# KiCad board bkp_austin.kicad_pcb (continued)
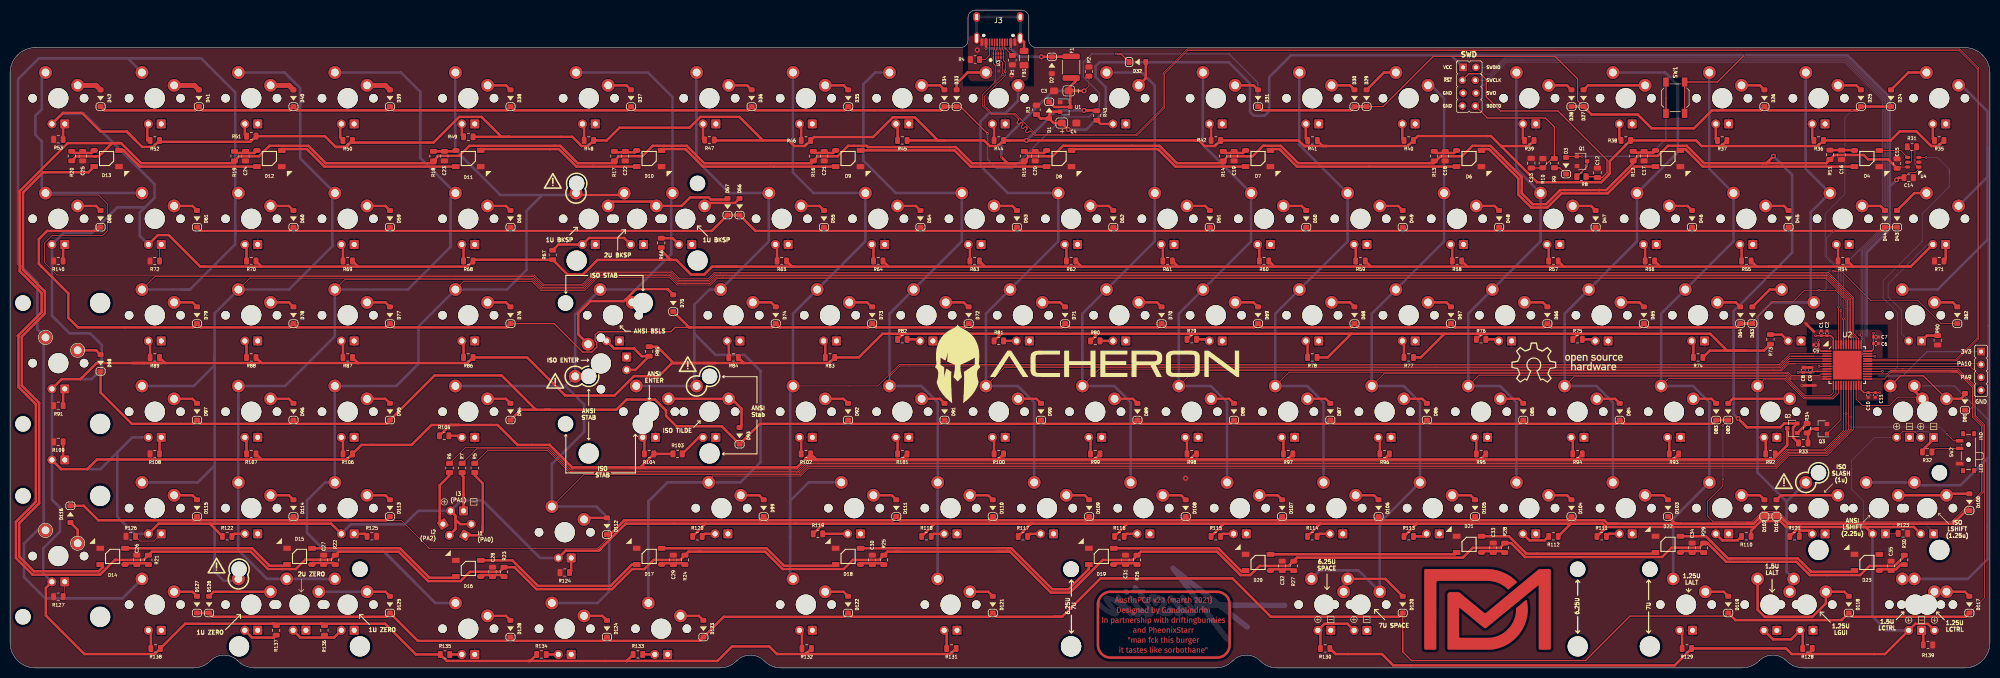
[diagram p0: board, top side]
## Nets (continued)
Net-(LED48-PadA): LED48.A R77.2
Net-(LED49-PadA): LED49.A R78.2
Net-(LED50-PadA): LED50.A R79.2
Net-(LED51-PadA): LED51.A R80.2
Net-(LED52-PadA): LED52.A R81.2
Net-(LED53-PadA): LED53.A R82.2
Net-(LED54-PadA): LED54.A R83.2
Net-(LED55-PadA): LED55.A R84.2
Net-(LED56-PadA): LED56.A LED57.A R85.2
Net-(LED58-PadA): LED58.A R86.2
Net-(LED59-PadA): LED59.A R87.2
Net-(LED60-PadA): LED60.A R88.2
Net-(LED61-PadA): LED61.A R89.2
Net-(LED62-PadK): LED62.K R108.1
Net-(LED63-PadK): LED63.K R109.1
Net-(LED64-PadA): LED64.A R92.2
Net-(LED65-PadA): LED65.A R93.2
Net-(LED66-PadA): LED66.A R94.2
Net-(LED67-PadA): LED67.A R95.2
Net-(LED68-PadA): LED68.A R96.2
Net-(LED69-PadA): LED69.A R97.2
Net-(LED70-PadA): LED70.A R98.2
Net-(LED71-PadA): LED71.A R99.2
Net-(LED72-PadA): LED72.A R100.2
Net-(LED73-PadA): LED73.A R101.2
Net-(LED74-PadA): LED74.A R102.2
Net-(LED75-PadA): LED75.A R103.2
Net-(LED76-PadA): LED76.A R104.2
Net-(LED77-PadA): LED77.A R105.2
Net-(LED78-PadA): LED78.A R106.2
Net-(LED79-PadA): LED79.A R107.2
Net-(LED80-PadK): LED80.K LED81.K R123.1
Net-(LED82-PadK): LED82.K R124.1
Net-(LED83-PadK): LED83.K R125.1
Net-(LED84-PadK): LED84.K R126.2
Net-(LED85-PadK): LED85.K R127.1
Net-(LED86-PadA): LED86.A R110.2
Net-(LED87-PadA): LED87.A R111.2
Net-(LED88-PadA): LED88.A R112.2
Net-(LED89-PadA): LED89.A R113.2
Net-(LED90-PadA): LED90.A R114.2
Net-(LED91-PadA): LED91.A R115.2
Net-(LED92-PadA): LED92.A R116.2
Net-(LED93-PadA): LED93.A R117.2
Net-(LED94-PadA): LED94.A R118.2
Net-(LED95-PadA): LED95.A R119.2
Net-(LED96-PadA): LED96.A R120.2
Net-(LED97-PadA): LED97.A R121.2
Net-(LED98-PadA): LED98.A R122.2
Net-(LED100-PadK): LED99.K LED100.K R139.1
Net-(LED101-PadK): LED101.K R140.1
Net-(LED102-PadA): LED102.A LED103.A R128.2
Net-(LED104-PadA): LED104.A R129.2
Net-(LED105-PadA): LED105.A LED106.A R130.2
Net-(LED107-PadA): LED107.A R131.2
Net-(LED108-PadA): LED108.A R132.2
Net-(LED109-PadA): LED109.A R133.2
Net-(LED110-PadA): LED110.A R134.2
Net-(LED111-PadA): LED111.A R135.2
Net-(LED112-PadA): LED112.A LED113.A R136.2
Net-(LED114-PadA): LED114.A R137.2
Net-(LED115-PadA): LED115.A R138.2
Net-(LEDCAPS1-PadK): LEDCAPS1.K R7.2
Net-(LEDNUM1-PadK): LEDNUM1.K R6.2
Net-(LEDSCR1-PadK): LEDSCR1.K R5.1
Net-(Q1-Pad3): Q1.3 R8.1
Net-(Q2-Pad1): Q2.1 R34.1
Net-(Q3-Pad3): Q3.3 R33.2 R34.2
Net-(R31-Pad1): R31.1 U4.5
Net-(R32-Pad1): R32.1 SW2.2

Pads without a net: D23 2; J3 A8 B8; L1 1 2; L4 1; L5 1; U2 26

## Via types
v1: diameter 1.016, hole 0.508, Top to Bottom, 11 vias
v2: diameter 0.508, hole 0.305, Top to Bottom, 36 vias

## Routing (per net, layer and track width the routed paths; a pad name or vN(x,y) marks a point on that pad's centre or on a via; arc(x,y) is an arc through that point)
3V3: length 342.5
  Top w0.152: 376.32,97.84 375.06,97.84 C14.1 ; 376.32,97.84 376.53,98.06 ; 376.32,97.84 376.96,98.49 U4.1 376.75,98.92 376.2,99.47 376.2,100.31 376.2,100.31 376.2,100.31 376.2,102.57 R31.2
  Top w0.254: 330.72,109.51 330.72,115.71 337.2,115.71 v2(342.49,121) ; v2(357.16,64.69) C5.1 357.16,63.06 357.67,62.55 U2.1 ; U2.24 365.59,54.89 366.11,54.37 C11.2 v2(369.25,54.37) ; v2(353.13,58.36) C8.2 C9.2 355.73,58.55 357.03,58.55 ; U2.9 357.03,58.55 ; 357.03,58.55 356.9,58.55 ; U2.48 360.09,65.09 359.57,65.6 C2.2 C1.2 v2(356.56,65.6) ; 368.01,65.7 368.01,62.94 367.63,62.55 U2.36 ; C7.2 v2(368.01,66.11)
  Top w0.508: U1.2 205.78,109.83 205.2,109.26 D1.2 ; R3.1 203.5,108.5 D1.2 ; D1.2 206.09,107.61 C4.1 207.71,107.61 v1(209,106.32) ; C14.1 373,96.82 v1(372.57,96.39)
  Bottom w0.254: J1.1 378.59,62.47 373.76,57.65 369.06,57.65
  Bottom w0.508: v1(209,106.32) 212.52,106.32 216.41,110.21 216.41,114.67 214.38,116.7 214.38,118.84 215.14,119.61 240.67,119.61 244.86,115.41 244.86,109.83 245.62,109.06 247.78,109.06 248.67,109.95 248.67,116.68 252.98,121 283.46,121 ; J2.1 284.56,121 283.46,121 ; 371.22,94.28 371.22,112.62 362.84,121 v2(342.49,121) 283.46,121 ; 371.22,94.28 371.22,86.59 366.65,82.01 366.65,65.63 ; 371.22,94.28 371.22,95.04 v1(372.57,96.39) ; v2(353.13,58.36) 356.17,58.36
5V: length 1041.5
  Top w0.152: C15.1 372.93,98.92 U4.6 ; v1(212.12,113.96) 213.07,114.91 R2.1
  Top w0.508: 1.9,93.21 1.9,92.29 ; 1.9,92.29 1.9,94.17 ; 1.9,92.29 1.9,78.36 6.21,74.04 6.21,70.27 1.52,65.58 1.64,65.46 1.64,55.5 5.07,52.07 5.07,32.78 1.14,28.85 1.14,21.7 4.44,18.41 17.76,18.41 20.68,21.33 ; 21.53,103.64 20.14,103.64 17.53,101.04 16.65,101.04 ; 21.53,103.64 11.37,103.64 1.9,94.17 ; 21.53,103.64 21.92,103.64 25.88,99.68 44.32,99.68 ; 200.53,99.68 200.51,99.66 198.49,99.66 ; 209.85,113.96 209.06,113.96 C3.1 ; 209.85,113.96 v1(212.12,113.96) ; 209.85,113.96 210.99,113.96 ; 198.49,99.66 189.99,99.66 186.79,102.86 169.42,102.86 169.17,103.11 165.5,103.11 163.42,101.04 159.52,101.04 R16.2 ; 198.49,99.66 196.99,99.66 v2(195.77,100.88) ; v1(348.26,101.08) 346.87,99.68 346.09,99.68 ; 20.68,21.33 26.37,21.33 R21.2 28,22.96 47.5,22.96 50.94,19.52 56.43,19.52 58.29,21.37 63.32,21.37 R22.2 64.91,22.96 76.72,22.96 82.55,17.13 88.96,17.13 90.81,18.99 96.66,18.99 R23.2 99.6,19.88 103.95,15.54 118.86,15.54 122.84,19.52 125.27,19.52 127.08,21.33 132.33,21.33 R24.2 133.97,22.96 136.33,22.96 ; 20.68,21.33 20.98,21.33 ; 119.69,99.68 112.08,99.68 108.65,103.11 90.7,103.11 88.71,101.12 84.59,101.12 R18.2 ; 197.47,22.96 175.45,22.96 ; 197.47,22.96 194.93,22.96 ; 197.47,22.96 205.56,14.87 209.33,14.87 215.78,21.33 221.71,21.33 223.35,22.96 238.35,22.96 242.99,18.32 244.93,18.32 246.74,20.14 252.51,20.14 254.14,21.77 286.91,21.77 288.85,23.71 293.04,23.71 ; 175.45,22.96 174.83,22.96 ; 175.45,22.96 173.26,22.96 R25.2 171.62,21.33 166.45,21.33 164.64,19.52 152.56,19.52 149.11,22.96 136.33,22.96 ; D1.1 206.22,110.78 U1.3 209.38,113.64 C3.1 ; 293.04,23.71 294.26,23.71 R28.2 296.44,24.65 299.19,21.9 326.28,21.9 328.12,23.74 333.58,23.74 R29.2 335.22,24.65 338.91,20.95 352.8,20.95 355.43,18.32 365.38,18.32 367.19,20.14 372.17,20.14 374.09,22.06 R30.2 ; 293.04,23.71 293.29,23.71 ; 343.02,47.52 342.25,48.29 ; 343.02,47.52 349.64,47.52 350.4,48.29 Q2.2 352.13,47.43 352.13,45.49 R33.1 ; 343.02,47.52 341.28,49.26 ; 158.35,99.66 137.1,99.66 133.65,103.11 126.92,103.11 124.87,101.06 120.25,101.06 R17.2 ; R19.2 45.22,101.04 49.12,101.04 51.2,103.11 58.89,103.11 62.32,99.68 83.97,99.68 ; 16.65,101.04 16.96,101.04 ; 16.65,101.04 13.07,101.04 R20.2 ; R14.2 240.48,101.04 245.37,101.04 247.45,103.11 250.96,103.11 254.39,99.68 281.18,99.68 282.53,101.04 286.72,101.04 288.8,103.11 292.36,103.11 298.54,96.93 298.54,93.73 300.69,91.58 303.32,91.58 306.11,94.37 315.24,94.37 320.55,99.68 R12.2 ; 1.9,94.17 1.9,93.69 ; 320.55,100.38 R12.2 ; R12.2 321.52,101.12 325.43,101.12 327.43,103.11 331.13,103.11 334.56,99.68 346.09,99.68 ; C3.1 209.05,114.51 210.54,115.99 210.54,116.73 ; 136.33,22.96 135.82,22.96 ; 346.09,99.68 358.7,99.68 R11.2 360.3,101.29 366.08,101.29 366.94,100.43 370.93,100.43 C15.1 ; 239.9,99.68 230.42,99.68 226.99,103.11 207.95,103.11 205.87,101.04 201.19,101.04 R15.2
  Bottom w0.508: v1(212.12,113.96) 205.93,113.96 195.77,103.8 v2(195.77,100.88) ; 341.28,49.26 340.39,50.15 340.39,70.47 351.94,82.03 351.94,97.39 v1(348.26,101.08)
  vias: v1(341.28,49.26)
GND: length 6.9
  Top w0.508: C8.1 355.92,59.32 ; v2(353.87,55.78) 356.57,55.78 ; 354.57,68.08 356.27,66.38
  vias: v1(191.01,122.03) v1(197.81,117.11) v1(232.16,37.45) v2(195.27,117.87)
GNDPWR: length 19.8
  Top w0.508: 199.48,124.35 200.25,123.59 FB1.2
  Bottom w0.508: 190.88,124.35 190.88,128.55 199.48,128.55 199.48,124.35
VBUS: length 23.5
  Top w0.508: 207.11,120.69 209.56,120.69 v1(203.68,120.69) ; 197.63,124.13 v2(197.63,122.34) ; 192.73,124.13 v2(192.73,122.34)
  Bottom w0.508: v2(192.73,122.34) v2(197.63,122.34) 199.28,120.69 v1(203.68,120.69)
BOOT0: length 173.4
  Top w0.254: U2.44 v2(362.09,68.98) ; J2.8 291.75,108.6 303.21,108.6 304.99,106.82 R9.2 304.53,100.59 R10.1 302.67,98.73 C13.2
  Bottom w0.152: 362.09,79.43 365.25,82.59 ; 362.09,79.43 v2(362.09,68.98) ; 362.09,79.43 369.82,87.16 369.82,112.03 369.51,112.34 369.51,112.34 362.24,119.61 295.58,119.61 290.68,114.7 290.68,112.29 J2.8
Col1: length 215.5
  Top w0.152: 377.67,53.48 372.82,53.48 371.17,51.83 365.83,51.83 364.59,53.07 U2.22
  Top w0.508: SW63.2 376.08,54.72 SW81.1
  Bottom w0.254: 390.65,67.42 390.65,47.74 ; 390.65,67.42 390.65,67.55 ; 390.65,67.42 390.65,84.55 ; 390.65,47.74 390.65,41.52 390.53,41.39 ; 390.65,47.74 390.65,49.01 383.98,55.68 SW81.1
  Bottom w0.508: 390.53,102.73 390.53,109.93 385.4,115.05 SW3.2 ; 390.53,102.73 390.53,96.95 SW22.2 385.4,91.24 ; 390.53,102.73 390.53,84.55 380.7,74.73 SW43.1 ; SW111.1 386.65,17.58 390.53,21.45 390.53,41.39 385.19,36.06 376.65,36.06 SW84.1 SW82.1
Col2: length 144.6
  Top w0.152: SW64.1 346.32,56.88 350.52,56.88 354.27,53.13 359.98,53.13 361.09,54.23 U2.15
  Bottom w0.508: 350.85,32.83 SW85.1 ; 350.85,32.83 350.85,18.99 SW102.1 351.47,16.78 SW112.2 ; 350.85,32.83 345.1,38.58 345.1,55.65 SW64.1 345.12,69.38 347.93,72.19 SW44.2 355.61,72.81 355.61,89.98 SW23.1 354.62,98.56 354.62,117.56 SW4.1
Col3: length 157.1
  Top w0.152: SW65.1 326.07,55.68 327.57,57.18 350.65,57.18 354.4,53.43 359.78,53.43 360.59,54.24 U2.14
  Bottom w0.508: SW5.1 335.57,117.56 335.57,98.56 SW24.1 340.36,84.25 326.07,69.96 SW65.1 332.36,55.68 335.6,52.44 SW86.1 328.45,29.48 SW113.1
Col4: length 166.3
  Top w0.152: SW66.1 308.83,57.49 350.78,57.49 354.52,53.74 359.45,53.74 360.09,54.38 U2.13
  Bottom w0.508: SW87.1 316.55,52.44 313.31,55.68 SW66.1 307.02,69.96 SW46.1 321.31,84.25 SW25.1 329.38,101.85 329.38,115.07 326.87,117.59 SW6.1
Col5: length 169.1
  Top w0.152: 289.67,57.38 SW67.1 ; 289.67,57.38 290.09,57.79 350.9,57.79 351.64,57.05 ; 289.67,57.38 289.78,57.49 ; 351.64,57.05 351.39,57.3 ; 351.64,57.05 U2.12
  Bottom w0.508: SW7.1 297.47,117.56 297.47,98.56 SW26.1 302.26,84.25 SW47.1 287.97,69.96 SW67.1 294.26,55.68 297.5,52.44 SW88.1
Col6: length 225.7
  Top w0.152: SW68.1 271.34,58.09 351.03,58.09 351.68,57.45 358.73,57.45 U2.11
  Bottom w0.508: SW8.2 280.63,115.05 283.21,112.47 SW27.1 283.21,84.25 SW48.1 268.92,69.96 SW68.1 275.21,55.68 278.45,52.44 SW89.1 270.51,28.69 SW114.2 266.29,19.25 258.69,19.25 SW103.1
Col7: length 209
  Top w0.152: U2.10 357.67,58.05 357.37,57.75 351.8,57.75 351.15,58.4 252.6,58.4 SW69.1
  Bottom w0.508: SW9.1 254.6,117.56 254.6,103.33 SW28.1 264.16,84.25 SW49.1 249.87,69.96 SW69.1 256.16,55.68 259.4,52.44 SW90.1
Col8: length 229.4
  Top w0.152: 352.49,60.05 351.24,60.05 349.89,58.7 233.85,58.7 SW70.1 ; 352.49,60.05 351.39,60.05 ; 352.49,60.05 U2.6
  Bottom w0.508: SW91.1 240.35,52.44 237.11,55.68 SW70.1 230.82,69.96 SW50.1 245.08,84.23 245.08,93.75 SW29.1 235.56,103.33 235.56,113.16 235.59,113.19 SW10.1
Col9: length 251.6
  Top w0.152: SW71.1 215.1,59.01 349.77,59.01 351.31,60.55 U2.5
  Bottom w0.508: SW92.1 221.3,52.44 218.06,55.68 SW71.1 211.77,69.96 216.54,74.73 216.54,74.74 226.06,84.27 SW30.1 226.06,115.03 223.5,117.59 216.54,117.59
Col10: length 277.6
  Top w0.152: 233.7,59.31 196.36,59.31 SW72.1 ; 233.7,59.31 349.64,59.31 351.38,61.05 U2.4 ; 233.7,59.31 233.6,59.31
  Bottom w0.508: SW93.1 202.25,52.44 199.01,55.68 SW72.1 192.72,69.96 SW52.1 197.49,74.74 207.01,84.27 SW31.1 197.02,93.78 191.64,99.16 191.64,107.92 193.29,109.57 196.6,109.57 199.07,112.05 SW12.2
Col11: length 326.2
  Top w0.152: 356.24,61.55 351.79,61.55 ; 356.24,61.55 U2.3 ; 356.24,61.55 351.44,61.55 349.51,59.62 175.74,59.62 173.67,57.55 SW73.1
  Bottom w0.508: SW13.1 170.83,117.59 168.53,115.29 168.53,100.17 174.93,93.78 SW32.1 187.96,84.25 SW53.1 173.67,69.96 SW73.1 179.96,55.68 183.2,52.44 SW94.1 183.17,36.6 183.17,17.6 SW104.1
Col12: length 344.1
  Top w0.152: 350.05,60.6 351.51,62.05 U2.2 ; 350.05,60.6 349.99,60.53 ; 350.05,60.6 349.38,59.92 175.61,59.92 171.37,55.68 SW74.1
  Bottom w0.508: SW14.1 154.62,113.19 154.6,113.16 154.6,97.85 158.67,93.78 SW33.1 168.91,84.25 SW54.1 154.62,69.96 SW74.1 154.05,55.11 154.05,25.75 ; SW95.1 157.69,36.63 154.05,32.99 154.05,25.75 ; 154.05,25.75 154.05,18.15 SW105.1
Col13: length 414.4
  Top w0.152: U2.21 364.09,47.18 358.87,41.96 351.39,41.96 348.88,39.45 157.7,39.45 156.13,37.88 138.77,37.88 137.95,37.06 SW83.1
  Bottom w0.508: 126.05,32.85 126.05,29.54 ; 126.05,32.85 SW106.1 ; 126.05,32.85 129.83,36.63 SW83.1 144.22,36.63 148.21,40.61 148.21,58.65 145.03,61.82 139.32,61.82 135.13,66.01 135.13,66.27 ; 135.13,66.27 135.13,71.73 138.13,74.73 SW55.1 149.83,84.23 149.83,93.75 SW34.1 142.03,93.78 135.55,100.26 135.55,117.56 SW15.1 ; 135.13,66.27 135.13,56.12 SW62.1 SW75.1
Col14: length 452.4
  Top w0.152: 107,31.86 113.32,38.19 156,38.19 157.57,39.76 348.76,39.76 351.26,42.27 358.75,42.27 363.59,47.11 363.59,49.6 ; U2.20 363.59,49.6 ; 363.59,49.6 363.59,49.45 ; SW56.1 116.52,74.83
  Bottom w0.508: SW107.1 116,12.81 118.31,15.13 118.31,29.35 115.79,31.86 107,31.86 107,40.25 113.37,46.62 113.37,52 109.7,55.68 ; SW16.1 125.97,117.59 130.81,112.75 SW35.1 130.43,93.4 130.56,93.27 130.56,81.76 123.52,74.73 SW56.1 111.6,69.81 SW42.1 ; 109.7,55.68 SW42.1 ; 109.7,55.68 SW76.1 ; SW42.1 111.6,56.65
Col15: length 486.1
  Top w0.152: SW57.1 89.58,76.36 103.03,76.36 104.85,74.54 113.49,74.54 116.11,77.16 130.17,77.16 131.72,75.62 138.33,75.62 139.59,76.88 358.64,76.88 362.89,72.63 362.89,65.48 363.09,65.29 U2.42
  Top w0.508: 111.76,93.4 120.9,93.4 SW41.1
  Bottom w0.508: 73.66,23.13 62.17,23.13 58.62,26.68 58.62,33.03 62.21,36.63 SW97.1 64.11,36.65 64.11,55.65 SW77.1 76.28,55.68 80.64,60.04 80.64,67.42 SW57.1 98.12,74.73 101.98,78.58 101.98,90.27 105.11,93.4 ; 73.66,23.13 83.97,12.81 SW115.1 ; 73.66,23.13 80.08,16.71 ; 105.11,93.4 96.82,93.4 87.92,102.3 87.92,117.56 SW17.1 ; 105.11,93.4 111.76,93.4
Col16: length 481.7
  Top w0.152: U2.41 363.59,65.22 363.2,65.61 363.2,72.75 358.77,77.19 139.47,77.19 138.2,75.92 131.84,75.92 130.3,77.47 115.99,77.47 113.37,74.85 104.97,74.85 103.15,76.67 66.07,76.67 SW58.1
  Bottom w0.508: SW108.1 SW116.1 50.72,17.58 45.06,23.24 45.06,36.6 SW98.1 45.06,36.65 45.06,51.25 45.09,51.28 SW78.1 54.31,55.68 64.14,65.5 SW58.1 78.58,74.73 86.99,83.14 ; 86.99,83.14 86.99,92.82 SW37.1 81.03,100.7 81.03,113.76 77.2,117.59 SW18.1 ; 86.99,83.14 86.99,86.12
Col17: length 503.1
  Top w0.152: U2.40 364.09,65.15 363.5,65.73 363.5,71.14 363.5,72.88 358.89,77.49 139.34,77.49 138.08,76.23 131.97,76.23 130.43,77.77 115.86,77.77 113.24,75.15 105.1,75.15 103.28,76.97 47.33,76.97 SW59.1
  Bottom w0.508: 40.39,39.96 37.05,36.63 SW99.1 ; 40.39,39.96 40.39,61.81 ; 40.39,39.96 40.39,19.01 ; 40.39,61.81 40.39,59.79 36.27,55.68 SW79.1 26.01,55.65 ; 40.39,61.81 40.39,70.03 SW59.1 55.09,74.73 63.63,83.27 ; 40.39,19.01 42.2,17.2 45.09,17.2 ; 40.39,19.01 40.39,20.26 ; 63.63,83.27 63.63,84.85 ; 63.63,83.27 63.63,93.78 ; SW38.1 57.28,100.63 57.28,114.53 54.21,117.59 SW19.1 ; SW99.1 26.01,36.65 ; SW99.1 26.01,36.6
Col18: length 592.8
  Top w0.152: U2.39 364.59,65.08 363.81,65.86 363.81,73.01 359.02,77.79 139.21,77.79 137.95,76.53 132.1,76.53 130.55,78.08 115.73,78.08 113.11,75.46 105.22,75.46 103.4,77.28 28.58,77.28 SW60.1
  Bottom w0.508: 35.53,74.73 SW60.1 ; 35.53,74.73 33.75,74.73 ; 35.53,74.73 44.45,83.65 44.45,85.43 ; SW110.1 22.19,13.73 6.93,13.73 2.74,17.92 2.74,24.52 5.38,27.17 SW100.1 6.6,27.55 6.6,64.88 SW80.1 5.38,66.87 5.38,76.06 1.57,79.88 1.57,116.28 5.67,120.38 23.24,120.38 ; 23.24,120.38 37.75,120.38 44.45,113.68 44.45,91.65 ; 23.24,120.38 SW20.1 ; 44.45,91.65 44.45,93.78 ; 44.45,91.65 44.45,85.43 ; 44.45,85.43 44.45,87.26
Col19: length 454.1
  Top w0.152: 6.98,93.38 17.47,93.38 19.27,91.58 19.27,86.38 18.27,85.38 8.27,85.38 6.77,83.88 6.77,80.08 9.27,77.58 103.53,77.58 105.35,75.76 112.99,75.76 115.61,78.38 130.68,78.38 132.22,76.83 137.82,76.83 139.09,78.1 359.15,78.1 364.11,73.13 364.11,65.99 365.09,65.01 U2.38
  Bottom w0.152: 6.37,93.16 SW61.1
  Bottom w0.508: SW21.1 6.27,116.87 6.27,110.33 4.98,109.04 4.98,105.27 6.27,103.98 6.27,94.49 SW61.1 SW40.1
D+: length 315.6
  Top w0.152: v2(196.04,117.21) 196.03,117.22 196.03,119.27 ; 196.03,119.27 196.03,119.52 195.68,119.87 U3.4 195.68,121.97 195.44,122.22 195.44,124.13 ; 196.03,119.27 196.03,119.14 ; 194.43,124.13 194.43,122.23 194.18,121.98 U3.1 194.18,119.34 194.54,118.98 v2(194.54,115.71) 192.1,113.26 192.1,110.96 193.82,109.23 198.32,109.23 199.08,108.47 199.12,108.42 199.15,108.36 199.17,108.29 199.17,108.22 199.15,108.16 199.12,108.1 199.08,108.05 198.94,107.91 198.9,107.85 198.87,107.79 198.85,107.73 198.85,107.66 198.87,107.59 198.9,107.53 198.94,107.48 198.99,107.44 199.05,107.41 199.12,107.39 199.18,107.39 199.25,107.41 199.31,107.44 199.36,107.48 199.5,107.62 199.56,107.66 199.62,107.69 199.68,107.71 199.75,107.71 199.82,107.69 199.88,107.66 199.93,107.62 199.97,107.57 200,107.51 200.01,107.44 200.01,107.38 200,107.31 199.97,107.25 199.93,107.2 199.79,107.06 199.75,107 199.72,106.94 199.7,106.88 199.7,106.81 199.72,106.75 199.75,106.68 199.79,106.63 199.84,106.59 199.9,106.56 199.97,106.55 200.03,106.55 200.1,106.56 200.16,106.59 200.21,106.63 200.35,106.77 200.41,106.82 200.47,106.84 200.53,106.86 200.6,106.86 200.66,106.84 200.72,106.82 200.78,106.77 200.82,106.72 200.85,106.66 200.86,106.59 200.86,106.53 200.85,106.46 200.82,106.4 200.78,106.35 200.64,106.21 200.59,106.16 200.57,106.09 200.55,106.03 200.55,105.96 200.57,105.9 200.59,105.84 200.64,105.78 200.69,105.74 200.75,105.71 200.81,105.7 200.88,105.7 200.95,105.71 201.01,105.74 201.06,105.78 201.2,105.92 201.25,105.97 201.31,106 201.38,106.01 201.45,106.01 201.51,106 201.57,105.97 201.63,105.92 202.46,105.09 222.5,105.09 228.02,110.61 228.02,117.34 232.61,121.93 384.92,121.93 388.49,118.35 388.49,65.12 384.33,60.96 366.31,60.96 366.21,61.05
  Bottom w0.152: v2(194.54,115.71) v2(196.04,117.21)
D-: length 312.5
  Top w0.152: 366.21,60.55 366.31,60.65 384.46,60.65 388.8,64.99 388.8,118.48 385.04,122.23 232.48,122.23 227.71,117.46 227.71,110.73 222.38,105.4 202.58,105.4 198.44,109.54 193.95,109.54 192.4,111.09 192.4,112.85 196.54,117 v2(196.54,117.74) ; 194.68,120.03 U3.2 ; U3.2 194.68,119.6 v2(195.04,119.24) ; U3.2 194.68,121.97 194.93,122.22 194.93,124.13 ; 196.54,118.27 v2(196.54,117.74) ; v2(196.54,117.74) 196.54,119.65 196.18,120 U3.5 196.18,121.98 195.93,122.23 195.93,124.13
  Bottom w0.152: v2(195.04,119.24) v2(196.54,117.74)
EXTRA1: length 23.5
  Top w0.152: 367.83,60.05 U2.31 389.13,60.05 J1.2
EXTRA2: length 23.3
  Top w0.152: U2.30 387.09,59.55 J1.3
INDICATOR1: length 286.7
  Top w0.152: 363.09,49.66 363.09,49.52 ; 363.09,49.66 U2.19 ; 363.09,49.66 363.09,47.04 358.62,42.57 351.14,42.57 348.63,40.06 157.45,40.06 155.88,38.49 155.28,38.49 155.28,38.49 110.56,38.49 106.1,42.95 94.32,42.95 R5.2
INDICATOR2: length 290.7
  Top w0.152: 362.09,49.8 362.09,49.66 ; 362.09,49.8 362.09,46.9 358.37,43.18 350.89,43.18 348.38,40.67 157.19,40.67 155.62,39.1 110.81,39.1 106.35,43.56 89.93,43.56 R6.1 ; 362.09,49.8 U2.17
INDICATOR3: length 314.2
  Top w0.152: U2.18 362.59,46.97 358.5,42.88 351.01,42.88 348.51,40.37 157.32,40.37 155.75,38.8 110.69,38.8 110.68,38.8 106.23,43.25 92.13,43.25 R7.1 ; SW2.3 383.83,44.85 v2(382.52,46.15)
  Bottom w0.152: v2(382.52,46.15) 381.13,47.55 363.6,47.55 362.59,48.56 v2(362.59,50.22)
LED_PWM: length 10.7
  Top w0.152: Q3.1 361.59,49.02 U2.16
LED_SIGNAL: length 2707.7
  Top w0.152: LED2.A 373.7,46.64 376.23,46.64 LED1.A
  Top w0.508: 365.96,27.83 376,27.83 LED80.A ; 365.96,27.83 366.47,27.83 LED81.A ; 365.96,27.83 353.64,27.83 ; 51.79,8.72 34.55,8.72 R138.1 28.57,2.73 14.65,2.73 7.06,10.33 7.06,15.81 LED85.A 8.59,16.66 ; 51.79,8.72 52.18,8.72 R137.1 ; 51.79,8.72 61.32,8.72 ; 325.89,79.26 R56.1 ; 325.89,79.26 306.84,79.26 ; 325.89,79.26 344.94,79.26 ; 8.59,41.4 LED63.A 10.07,39.26 15.24,39.26 17.14,41.16 49.67,41.16 ; 29.91,60.21 24.09,60.21 ; 29.91,60.21 17.08,60.21 13.91,57.04 ; 29.91,60.21 30.62,60.21 ; 315.24,27.83 R111.1 315.24,27.83 ; 315.24,27.83 343.99,27.83 344.59,27.83 ; 315.24,27.83 314.58,28.49 308.25,28.49 ; 355.14,2.73 351.84,2.73 350.73,3.84 R129.1 328.74,0.49 273.18,0.49 270.94,2.73 261.76,2.73 R130.1 ; 355.14,2.73 370.29,2.73 LED99.A 376.27,8.7 378.75,8.7 LED100.A 379.72,7.08 ; 355.14,2.73 355.91,3.5 R128.1 ; R132.1 157.15,2.73 156.26,2.73 ; 125.47,39.59 155.42,39.59 R102.1 159.21,41.16 ; 125.47,39.59 124.47,39.59 ; 125.47,39.59 122.57,39.59 ; 154.79,79.26 154.44,79.26 R65.1 ; 154.79,79.26 143.54,79.26 ; 154.79,79.26 173.49,79.26 ; LED3.A 10.43,109.61 14.17,109.61 17.85,105.93 23.02,105.93 ; 353.64,27.83 350.75,27.83 349.59,28.99 345.75,28.99 344.59,27.83 ; 353.64,27.83 353.34,27.83 R121.1 ; 239.7,28.49 220.65,28.49 ; 239.7,28.49 258.75,28.49 ; 239.7,28.49 R115.1 ; 260.02,103.06 259.27,103.06 R41.1 ; 260.02,103.06 255.57,103.06 ; 260.02,103.06 276.05,103.06 R40.1 278.03,105.04 292.46,105.04 294.56,102.94 ; 182.36,28.29 182.19,28.13 ; 182.19,28.13 182.55,28.49 ; 182.19,28.13 R118.1 ; R117.1 201.6,28.49 201.9,28.49 ; R78.1 260.2,61.31 264.88,65.99 ; 88.55,47.98 86.93,47.98 R105.1 ; 88.55,47.98 83.22,47.98 79.28,44.04 69.39,44.04 R106.1 66.51,41.16 49.67,41.16 ; 88.55,47.98 96.27,47.98 100.21,44.04 106.55,44.04 111.01,39.59 122.57,39.59 ; 195.25,41.32 R100.1 ; 195.25,41.32 195.09,41.16 176.04,41.16 ; 195.25,41.32 195.42,41.16 214.14,41.16 ; 37.54,79.26 38.43,79.26 ; 37.54,79.26 49.67,79.26 ; 37.54,79.26 31.31,85.48 29.17,85.48 LED23.A ; 249.69,79.26 R60.1 ; 249.69,79.26 230.64,79.26 ; 249.69,79.26 268.74,79.26 ; 342.76,62.67 346.38,62.67 R73.1 ; 342.76,62.67 339.08,62.67 335.76,65.99 309.73,65.99 ; 342.76,62.67 335.67,62.67 R74.1 ; 309.73,65.99 R75.1 ; 309.73,65.99 290.68,65.99 ; 377.35,45.5 LED1.A ; 102.35,1.36 102.72,1.36 R134.1 ; 102.35,1.36 121.75,1.36 ; 102.35,1.36 86.23,1.36 R135.1 80.14,2.65 74.07,8.72 61.32,8.72 ; 294.56,102.94 294.56,103.06 299.86,103.06 R39.1 ; 294.56,102.94 301.59,95.91 314.24,95.91 315.92,97.59 315.92,100.07 R38.1 332.95,104.17 334.06,103.06 337.96,103.06 ; 290.68,65.99 R76.1 ; 290.68,65.99 283.28,65.99 ; 255.57,103.06 254.46,104.17 R42.1 237.95,103.06 235.89,103.06 234.78,104.17 R44.1 ; 255.57,103.06 257.05,103.06 ; 264.88,65.99 283.28,65.99 ; 264.88,65.99 233.53,65.99 ; 160.62,28.49 182.55,28.49 ; 160.62,28.49 155.1,28.49 137.3,28.49 ; 160.62,28.49 R119.1 ; 49.67,41.16 R107.1 ; 124.47,39.59 122.57,39.59 ; 124.47,39.59 R104.1 R103.1 ; 143.54,79.26 139.55,79.26 ; 143.54,79.26 138.66,79.26 137.09,77.69 134.46,77.69 131.57,80.58 130.47,80.58 ; 306.84,79.26 R57.1 ; 306.84,79.26 287.79,79.26 ; 68.72,79.26 90.32,79.26 R68.1 91.68,80.62 R67.1 110.09,77.69 113.12,77.69 116.02,80.58 130.47,80.58 ; 68.72,79.26 49.67,79.26 ; 68.72,79.26 R69.1 ; 182.55,28.49 201.9,28.49 ; 283.28,65.99 278.6,61.31 R77.1 ; LED43.A 10.19,57.04 13.91,57.04 ; 201.9,28.49 220.65,28.49 ; 220.65,28.49 R116.1 ; 139.28,60.21 130.72,60.21 128.14,57.63 123.2,57.63 119.36,53.78 109.64,53.78 102.11,61.31 R86.1 90.32,60.21 68.72,60.21 ; 139.28,60.21 131.03,60.21 127.79,63.44 R85.1 ; 139.28,60.21 144.92,60.21 ; 116.68,23.61 116.23,23.15 109.71,23.15 LED82.A 108.6,21.38 ; 116.68,23.61 121.56,28.49 137.3,28.49 ; 116.68,23.61 116.36,23.28 ; 214.14,41.16 R99.1 ; 214.14,41.16 232.83,41.16 ; 27.13,27.11 27.31,26.93 LED84.A 29.32,28.49 57.63,28.49 ; 232.83,41.16 232.94,41.16 234.04,42.26 R98.1 ; 232.83,41.16 252.24,41.16 ; 64.29,102.89 66.33,102.89 ; 64.29,102.89 66.33,102.89 ; 64.29,102.89 62.17,105.02 R51.1 47.45,103.9 29.78,103.9 R52.1 28.23,102.89 26.07,102.89 23.02,105.93 ; 66.33,102.89 67.19,103.75 83.62,103.75 88.69,108.83 93.09,108.83 97.03,104.89 98.55,104.89 ; 66.33,102.89 R50.1 ; R113.1 277.8,28.49 ; 98.55,104.89 111.03,104.89 112.85,103.07 114.13,103.07 R48.1 ; 98.55,104.89 R49.1 ; 121.75,1.36 R133.1 ; 121.75,1.36 139.69,1.36 142.56,4.23 149.93,4.23 151.43,2.73 156.26,2.73 ; 176.38,65.99 R82.1 ; 176.38,65.99 195.74,65.99 ; 176.38,65.99 172.28,65.99 167.6,61.31 R83.1 161.76,60.21 144.92,60.21 ; 144.92,60.21 R84.1 ; 328.44,41.16 348.14,41.16 350.98,43.99 Q2.3 ; 328.44,41.16 309.39,41.16 ; 328.44,41.16 R93.1 ; 115.11,104.17 R48.1 ; R48.1 117.82,104.17 120.34,106.69 134.18,106.69 136.32,108.83 144.02,108.83 148.67,104.17 ; 148.67,104.17 139.05,104.17 ; 148.67,104.17 153.75,104.17 154.86,103.06 156.99,103.06 R46.1 158.77,104.85 170.44,104.85 174.32,108.73 178.68,108.73 183.24,104.17 184.56,104.17 ; 49.67,79.26 R70.1 ; 156.26,2.73 185.73,2.73 R131.1 ; 156.99,41.16 159.21,41.16 ; 230.64,79.26 R61.1 ; 230.64,79.26 211.59,79.26 ; 252.24,41.16 271.29,41.16 ; 252.24,41.16 R97.1 ; 271.29,41.16 R96.1 ; 271.29,41.16 290.34,41.16 ; R44.1 195.09,103.06 193.47,103.06 192.36,104.17 184.56,104.17 ; R44.1 197.44,104.17 ; 277.8,28.49 308.25,28.49 ; 277.8,28.49 258.75,28.49 ; LEDCAPS1.A 87.96,30.05 87.96,29.31 ; 159.21,41.16 158.88,41.48 157.67,41.48 ; 159.21,41.16 176.04,41.16 ; 30.62,60.21 R89.1 ; 30.62,60.21 49.19,60.21 49.43,60.45 ; 173.49,79.26 R64.1 ; 173.49,79.26 192.54,79.26 ; 68.72,60.21 49.67,60.21 49.43,60.45 ; 68.72,60.21 R87.1 ; 87.96,29.31 88.88,28.39 LEDSCR1.A ; 87.96,29.31 87.96,27.41 LEDNUM1.A ; 137.3,28.49 R120.1 ; 337.96,103.06 R37.1 ; 337.96,103.06 357.01,103.06 R36.1 371.41,104.17 373.19,105.96 376.49,105.96 379.39,103.06 380.83,103.06 R35.1 ; 344.94,79.26 R55.1 ; 344.94,79.26 347.44,79.26 ; 363.99,79.26 R54.1 ; 363.99,79.26 375.36,79.26 ; 363.99,79.26 347.44,79.26 ; 233.53,65.99 R79.1 ; 233.53,65.99 214.79,65.99 ; 130.47,80.58 128.59,82.46 R66.1 ; R122.1 39.41,28.49 ; 214.63,110.1 v1(212.09,110.1) 212.85,110.1 ; 176.04,41.16 R101.1 ; 375.36,79.26 373.19,79.26 ; 375.36,79.26 LED22.A ; 214.79,65.99 R80.1 ; 214.79,65.99 195.74,65.99 ; 61.32,8.72 61.7,8.72 R136.1 ; 65.41,26.47 63.39,28.49 57.63,28.49 ; R114.1 258.75,28.49 ; 23.02,105.93 24.78,104.17 ; 49.43,60.45 R88.1 ; 13.91,57.04 14.25,57.38 ; 347.44,79.26 349.85,79.26 ; 309.39,41.16 R94.1 ; 309.39,41.16 290.34,41.16 ; R110.1 343.84,27.08 344.59,27.83 ; 211.59,79.26 192.54,79.26 ; 211.59,79.26 R62.1 ; 192.54,79.26 R63.1 ; 290.34,41.16 R95.1 ; R45.1 184.56,104.17 ; 27.64,45.19 LED62.A ; 268.74,79.26 287.79,79.26 ; 268.74,79.26 R59.1 ; 287.79,79.26 R58.1 ; 308.25,28.49 R112.1 ; 195.74,65.99 R81.1 ; 57.63,28.49 58.46,28.49